# Altium PCB Copy of master.PcbDoc (part 3 of 7) (continued)
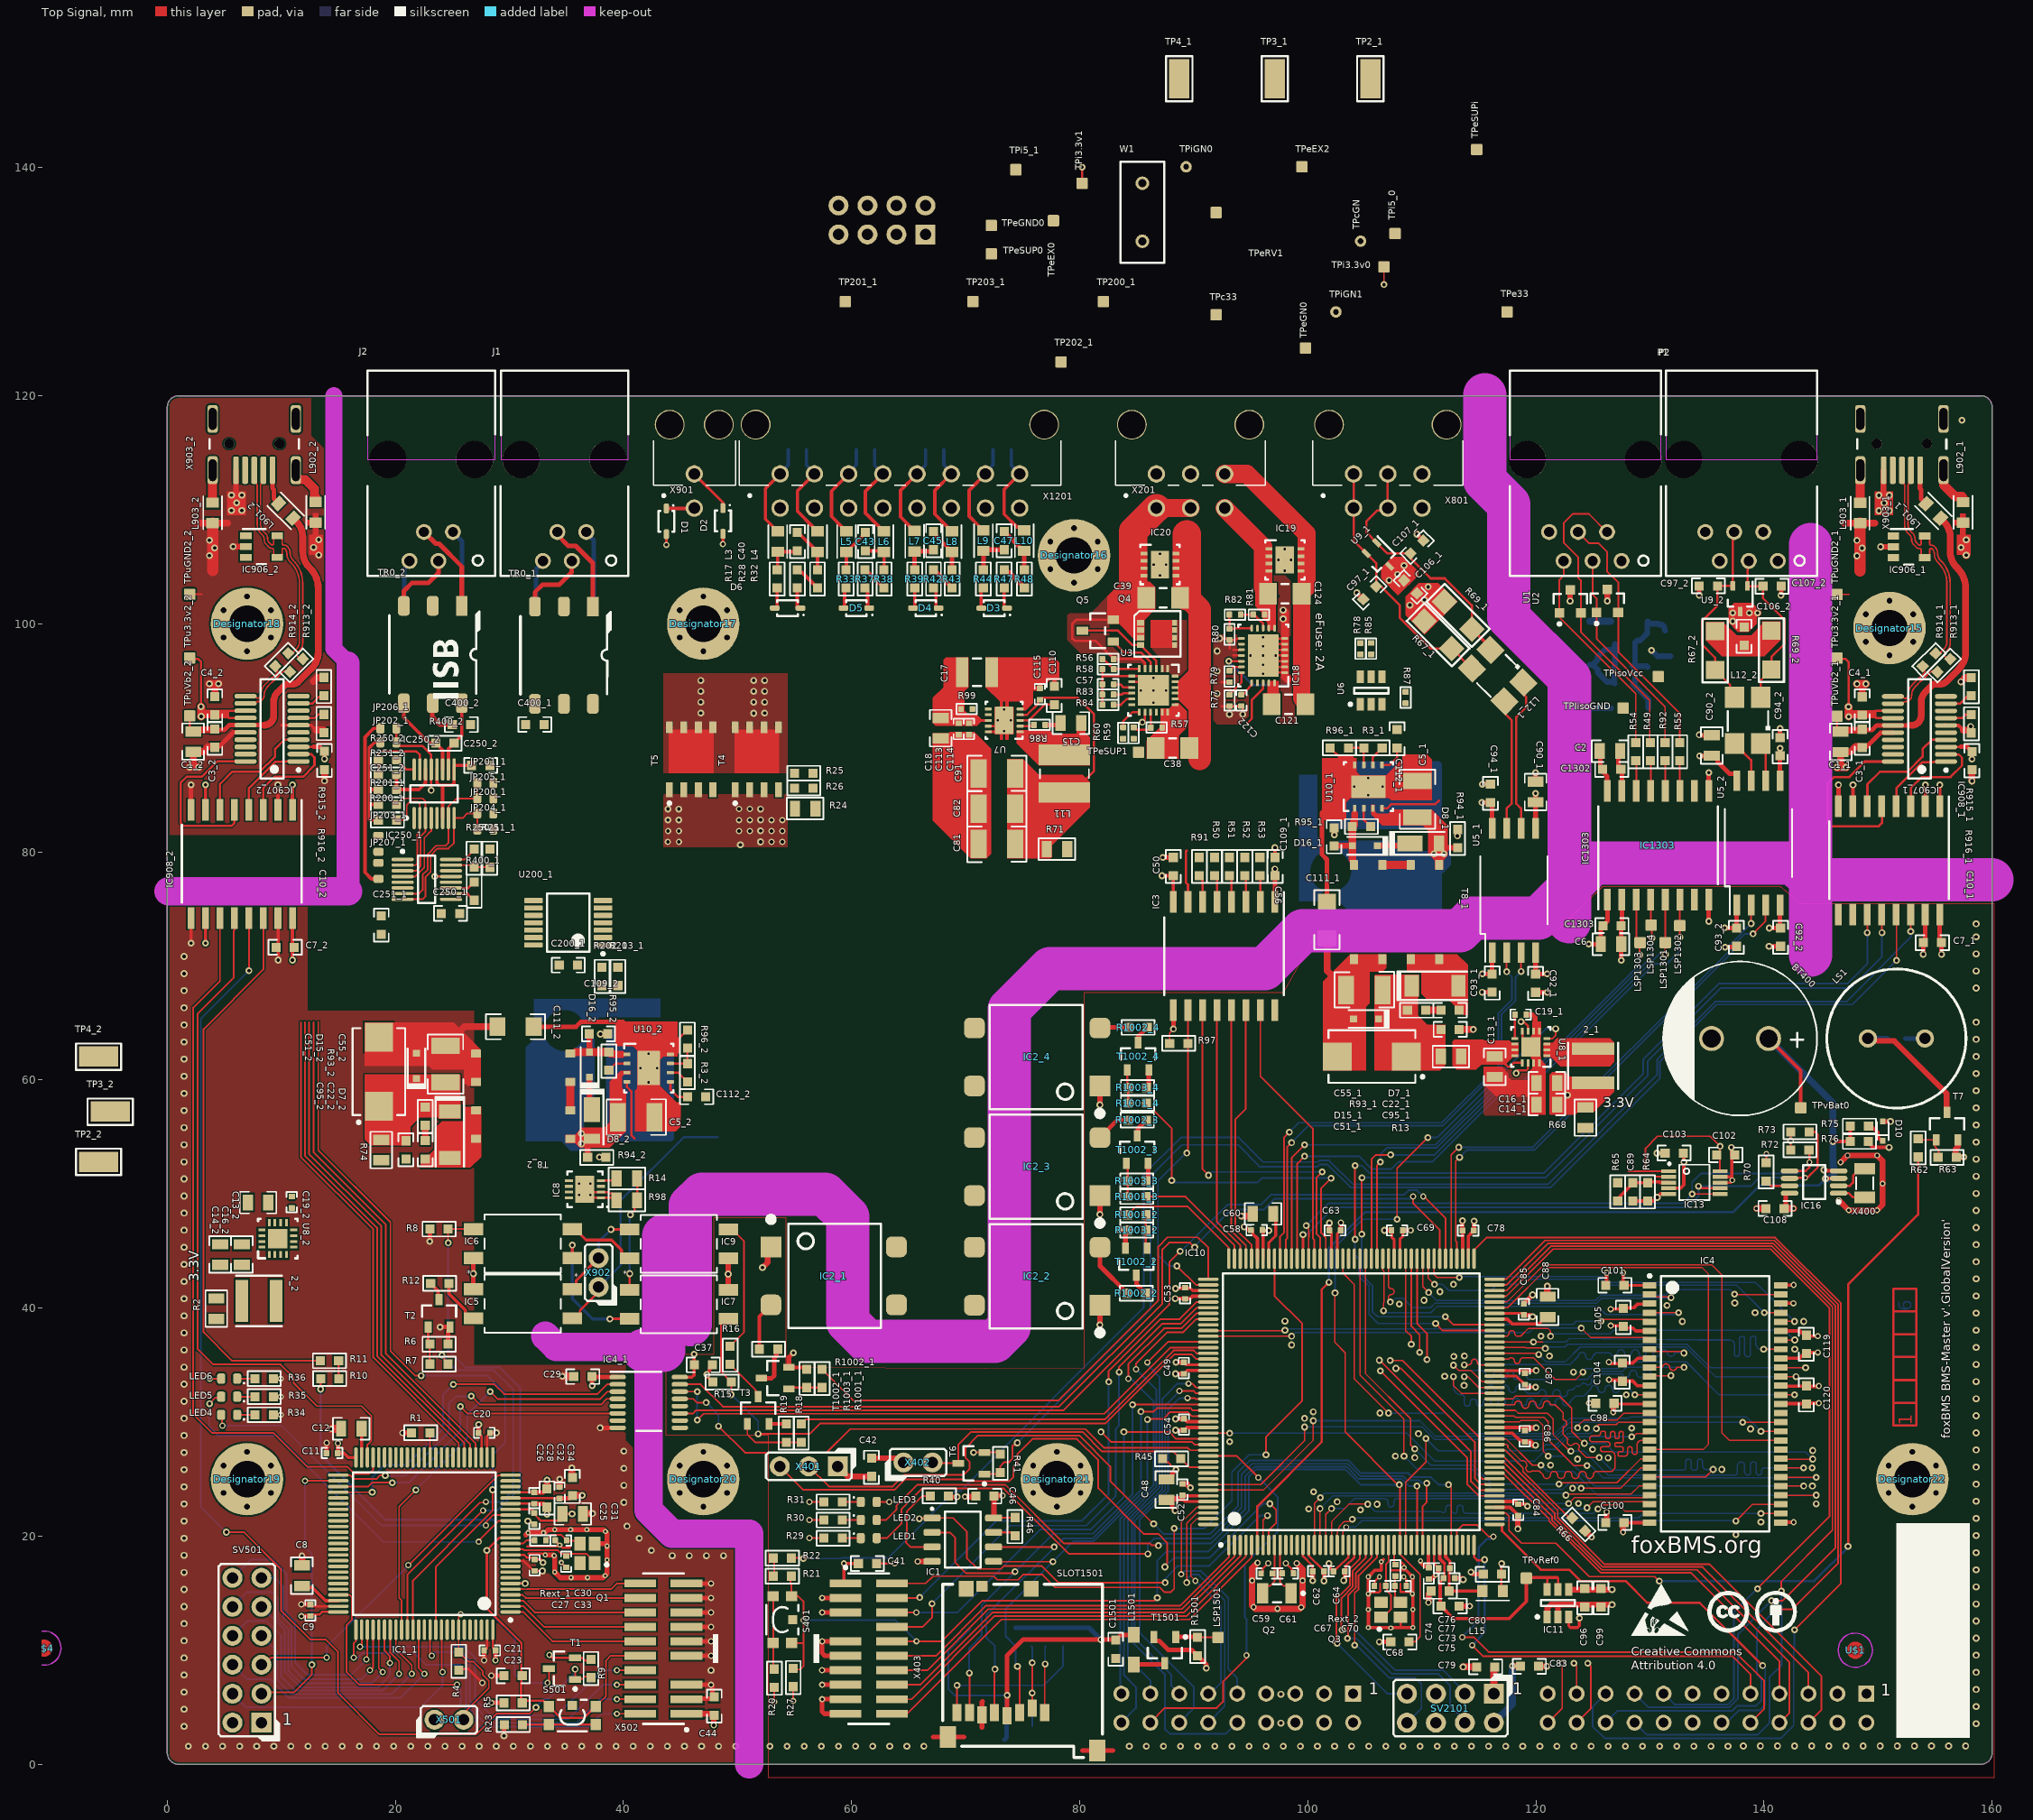
[diagram p0: Top Signal view]
## Part data (continued)
Q2: library part CMP-2000-05107-1, "Crystal, 32.768 KHz, 12.5 pF, -40 to 85 degC, 2-Pin SMD, RoHS, Tape and Reel", Frequency Stability=20PPM, Load Capacitance=12.5pF, Manufacturer=Epson, Operating Temperature Range=-40Cto+85C, Package / Case=3.2mmx1.5mm, Package Description="2-Pin Surface Mount Device, Body 3.2 x 1.5 mm", Package Reference=FC-135, Supplier Part Number 1=SER4071DKR-ND, =Q3805CA00002212, Brand=EpsonTiming, Datasheet URL=https://datasheet.ciiva.com/15116/getdatasheetpartid-112713-15116373.pdf, Datasheet Version=Nov-12, Drive Level=0.5uW, ESR=65kOhms, Factory Pack Quantity=250, Frequency=32.768kHz, Height=0.8mm, Length=3.2mm, Manufacturer URL=https://www.eea.epson.com/, Mounting Style=SMD/SMT, Packaging=Reel, Product Category=Crystals, RoHS=True, Series=FC-135R/FC-135/FC-255, Supplier 1=Digi-Key, Termination Style=SMD/SMT, Tolerance=20PPM, TYPE=kHzCrystal, Unit Weight=0.000564oz, Width=1.5mm
Q4: "MOSFET, N-CH, 30V, 47A, SON 3.3x3.3mm", Alternate Manufacturer=None, Manufacturer="Texas Instruments", Supplier Part Number 1=296-27210-1-ND, Value1="0.0094 ohm", Value2="3.9 nC", ChType=N, ComponentLink1Description="Datasheet link", ComponentLink1URL=http://www.ti.com/lit/ds/symlink/csd17308q3.pdf, CompType=MOSFET, IdsMax_A=47, LatestRevisionDate=2013-07-24, LatestRevisionNote="Added parts.", MountType=SMT, PackageReference="SON 3.3x3.3mm", PartNumber=CSD17308Q3, Published=2008-06-19, Publisher="Texas Instruments", QgTyp_nC=3.9, Rdson45_Ohm=0.0094, RoHS=Y, Supplier 1=Digi-Key, Supplier 2=Mouser, Supplier 3=Farnell, Supplier Part Number 2=595-CSD17308Q3, Supplier Part Number 3=1892457, SymbolVersion=2008-07-09, U/M=EA, VdsMax_V=30, Vgs_V=10
Q5: "MOSFET, N-CH, 50V, 0.22A, SOT-23", Alternate Manufacturer=None, Manufacturer="Fairchild Semiconductor", Supplier Part Number 1=BSS138CT-ND, Value1="6 ohm", Value2="1.7 nC", ChType=N, ComponentLink1Description="Datasheet link", ComponentLink1URL=http://www.fairchildsemi.com/ds/BS/BSS138.pdf, CompType=MOSFET, IdsMax_A=0.22, LatestRevisionDate=2013-07-10, LatestRevisionNote="Added parts.", MountType=SMT, PackageReference=SOT-23, PartNumber=BSS138, Published=2008-06-19, Publisher="Texas Instruments", QgTyp_nC=1.7, Rdson45_Ohm=6, RoHS=Y, Supplier 1=Digi-Key, Supplier 2=Mouser, Supplier 3=Farnell, Supplier Part Number 2=512-BSS138, Supplier Part Number 3=9845330, SymbolVersion=2008-07-28, U/M=EA, VdsMax_V=50, Vgs_V=20
R1 R4 R5 R6 R8 R9 R15 R19 R27 R40 R41 R45 R46 R50 R51 R52 R53 R63 R66 R1003_1 R1003_2 R1003_3 R1003_4 R1502 R1503 R1504 R1505 R1506 R1507: library part gen_R_10k_0603, "SMD Resistor 10k 0603", Case EIA=0603, Case Metric=1608, Maximum Working Voltage=75V, Operating Temperature="-55°C - +155°C", PnP Package=R_0603, Power=0.1W, Supplier Part Number 1=2073349, Tolerance=1%, Part Number=gen_R_10k_0603, PnP Value=10k, Resistance=10k, Series="E24, E96", Supplier 1=Farnell
  R1 R4 R5 R6 R8 R9 R15 R19 R27 R40 R41 R45 R46 R50 R51 R52 R53 R63 R66 R1003_1 R1003_2 R1003_3 R1003_4: Automotive Qualified=False
R2 R68: library part gen_R_0.01R_0805, "SMD Resistor 10m 0805", Case EIA=0805, Case Metric=2012, Operating Temperature="-55°C - +155°C", PnP Package=R_0603, Part Number=gen_R_0.01R_0805, PnP Value=0.01R
R3_1 R3_2: library part CMP-0022036-4, "RES, 130 k, 1%, 0.1 W, AEC-Q200 Grade 0, 0603", Manufacturer=Vishay-Dale, Power_W=100mW, Supplier Part Number 1=541-130KHCT-ND, TempCo="100 ppm/C", Tolerance_%=1%, Value2=0.1W, Value_Code=130k, AEC Category=Q200, AEC Grade=0, AEC Qualified=Y, ComponentLink1Description="Datasheet link", ComponentLink1URL=http://www.vishay.com/docs/20035/dcrcwe3.pdf, CompType=Resistor, EIA_Code=E96, MountType=SMT, PackageReference=0603, PartNumber=CRCW0603130KFKEA, Res_ohm=130k, RoHS=E, SizeArea_mm2=1.28, SizeX_mm=1.6, SizeY_mm=0.8, SizeZ_mm=1, Supplier 1=Digi-Key, Supplier 2=Newark, Supplier 3=Mouser, Supplier Part Number 2=52K8127, Supplier Part Number 3=71-CRCW0603-130K-E3, Technology="Thick Film", Value1=1%, ValueDisplayed=130k, VDC_V=75V
R7 R18 R25 R26 R62 R1001_1 R1001_2 R1001_3 R1001_4: library part gen_R_10R_0603, "SMD Resistor 10R 0603", Case EIA=0603, Case Metric=1608, Maximum Working Voltage=75V, Operating Temperature="-55°C - +155°C", PnP Package=R_0603, Power=0.1W, Supplier Part Number 1=2073361, Tolerance=1%, Automotive Qualified=False, Part Number=gen_R_10R_0603, PnP Value=10R, Resistance=10R, Series="E24, E96", Supplier 1=Farnell
R10 R21: library part gen_R_680R_0603, "SMD Resistor 680R 0603", Case EIA=0603, Case Metric=1608, Maximum Working Voltage=75V, Operating Temperature="-55°C - +155°C", PnP Package=R_0603, Power=0.1W, Supplier Part Number 1=2797303, Tolerance=1%, Automotive Qualified=False, Part Number=gen_R_680R_0603, PnP Value=680R, Resistance=680R, Series=E24, Supplier 1=Farnell
R11 R20 R22 R23 R915_1 R915_2 R916_1 R916_2: library part gen_R_0R_0603, "SMD Resistor 0R 0603", Case EIA=0603, Case Metric=1608, Maximum Working Voltage=75V, Operating Temperature="-55°C - +155°C", PnP Package=R_0603, Power=0.1W, Supplier Part Number 1=2073345, Automotive Qualified=False, Part Number=gen_R_0R_0603, PnP Value=0R, Resistance=0R, Series=Jumper, Supplier 1=Farnell
R12 R16 R1002_1 R1002_2 R1002_3 R1002_4: library part gen_R_430R_0603, "SMD Resistor 430R 0603", Case EIA=0603, Case Metric=1608, Maximum Working Voltage=75V, Operating Temperature="-55°C - +155°C", PnP Package=R_0603, Power=0.1W, Supplier Part Number 1=2074259, Tolerance=1%, Automotive Qualified=False, Part Number=gen_R_430R_0603, PnP Value=430R, Resistance=430R, Series=E24, Supplier 1=Farnell
R13 R71 R74 R88: library part gen_R_0.01R_0805, "SMD Resistor 10m 0805", Case EIA=0805, Case Metric=2012, Operating Temperature="-55°C - +155°C", PnP Package=R_0603, PnP Value=0.01R, Part Number=gen_R_0.01R_0805
R14 R98: library part gen_R_120R_0603, "SMD Resistor 120R 0603", Case EIA=0805, Case Metric=2012, Maximum Working Voltage=75V, Operating Temperature="-55°C - +155°C", PnP Package=R_0603, PnP Value=120R, Power=0.1W, Supplier Part Number 1=2073369, Tolerance=1%, Automotive Qualified=False, Part Number=gen_R_120R_0603, Series=E24, Supplier 1=Farnell
  R14: Resistance=20k
  R98: Resistance=40R
R17 R28 R32 R33 R37 R38 R39 R42 R43 R44 R47 R48: library part gen_R_47R_0603, "SMD Resistor 47R 0603", Case EIA=0603, Case Metric=1608, Maximum Working Voltage=75V, Operating Temperature="-55°C - +155°C", PnP Package=R_0603, Power=0.1W, Supplier Part Number 1=2303030, Tolerance=1%, Automotive Qualified=False, Part Number=gen_R_47R_0603, PnP Value=47R, Resistance=47R, Series=E24, Supplier 1=Farnell
R24: library part gen_R_330R_0603, "SMD Resistor 330R 0603", Case EIA=0805, Case Metric=2012, Maximum Working Voltage=75V, Operating Temperature="-55°C - +155°C", Part Number=gen_R_600R_0805, PnP Package=R_0603, Power=0.1W, Automotive Qualified=False, PnP Value=600R, Resistance=600R, Series=E24
R29 R30 R31 R34 R35 R36: library part gen_R_130R_0603, "SMD Resistor 130R 0603", Case EIA=0603, Case Metric=1608, Maximum Working Voltage=75V, Operating Temperature="-55°C - +155°C", PnP Package=R_0603, Power=0.1W, Supplier Part Number 1=2379959, Tolerance=1%, Automotive Qualified=False, Part Number=gen_R_130R_0603, PnP Value=130R, Resistance=130R, Series="E24, E96", Supplier 1=Farnell
R49 R54 R55 R92: "SMD Resistor 10R 0603", Case EIA=0603, Case Metric=1608, Maximum Working Voltage=75V, Operating Temperature="-55°C - +155°C", Part Number=gen_R_10R_0603, PnP Package=R_0603, Power=0.1W, Supplier Part Number 1=2073361, Tolerance=1%, Automotive Qualified=False, PnP Value=10R, Resistance=10R, Series="E24, E96", Supplier 1=Farnell
R56 R81: library part gen_R_374k_0402, "SMD Resistor 374k 0402", Case EIA=0402, Case Metric=1005, Operating Temperature="-55°C - +155°C", PnP Package=R_0402, Automotive Qualified=False, Part Number=gen_R_374k_0402, PnP Value=374k
R57: "SMD Resistor 49.9k 0402", Case EIA=0402, Case Metric=1005, Operating Temperature="-55°C - +155°C", Part Number=gen_R_49k9_0402, PnP Package=R_0402, Automotive Qualified=False, PnP Value=49k9
R58 R82: library part gen_R_49k9_0402, "SMD Resistor 49.9k 0402", Case EIA=0402, Case Metric=1005, Operating Temperature="-55°C - +155°C", PnP Package=R_0402, Automotive Qualified=False, Part Number=gen_R_49k9_0402, PnP Value=49k9
R59: "SMD Resistor 49.9k 0402", Case EIA=0402, Case Metric=1005, Operating Temperature="-55°C - +155°C", Part Number=gen_R_49k9_0402, PnP Package=R_0402, PnP Value=49k9, Automotive Qualified=False
R60: library part gen_R_10K7_0402, "SMD Resistor 30k 0402", Case EIA=0402, Case Metric=1005, Operating Temperature="-55°C - +155°C", Part Number=gen_R_10.7k_0402, PnP Package=R_0402, PnP Value=10.7k, Automotive Qualified=False
R61: library part gen_R_10k_0603, "SMD Resistor 1k 0603", Case EIA=0603, Case Metric=1608, Maximum Working Voltage=75V, Operating Temperature="-55°C - +155°C", Part Number=gen_R_1k_0603, PnP Package=R_0603, Power=0.1W, Tolerance=1%, Automotive Qualified=False, PnP Value=1k, Resistance=1k, Series="E24, E96"
R64 R65 R70: library part gen_R_100k_0603, "SMD Resistor 100k 0603", Case EIA=0603, Case Metric=1608, Operating Temperature="-55°C - +155°C", PnP Package=R_0603, Automotive Qualified=False, Part Number=gen_R_100k_0603, PnP Value=100k
R67_1 R67_2 R69_1 R69_2: "RES, 60.4, 1%, 0.25 W, 1206", Manufacturer=Vishay-Dale, Power_W=0.25, Supplier Part Number 1=541-60.4FCT-ND, TempCo="100 ppm/C", Tolerance_%=1, Value1=1%, Value2=0.25W, Value_Code=60R4, ValueDisplayed=60.4, AEC Category=Q200, AEC Qualified=?, ComponentLink1Description="Datasheet link", ComponentLink1URL=http://www.vishay.com/docs/20035/dcrcwe3.pdf, CompType=Resistor, EIA_Code=E96, LatestRevisionDate=2017-03-07, MountType=SMT, PackageReference=1206, PartNumber=CRCW120660R4FKEA, Published=2008-06-26, Publisher="Texas Instruments", Res_ohm=60.4, RoHS=Y, SizeArea_mm2=5.12, SizeX_mm=3.2, SizeY_mm=1.6, SizeZ_mm=1.35, Supplier 1=Digi-Key, Supplier 2=Newark, Supplier 3=Mouser, Supplier Part Number 2=53K2546, Supplier Part Number 3=71-CRCW1206-60.4-E3, SymbolVersion=2009-05-29, Technology="Thick Film", U/M=EA, VDC_V=200
R72 R73: library part gen_R_4K7_0603, "SMD Resistor 4.7k 0603", Case EIA=0603, Case Metric=1608, Operating Temperature="-55°C - +155°C", Part Number=gen_R_4k7_0603, PnP Package=R_0603, Automotive Qualified=False, PnP Value=4k7
R75: library part gen_R_NF_0603, "SMD Resistor NF 0603", Case EIA=0603, Case Metric=1608, Operating Temperature="-55°C - +155°C", PnP Package=R_0603, Automotive Qualified=False, Part Number=gen_R_NF_0603, PnP Value=NF
R76: library part gen_R_10M_0603, "SMD Resistor 10M 0603", Case EIA=0603, Case Metric=1608, Operating Temperature="-55°C - +155°C", Part Number=gen_R_10Meg_0603, PnP Package=R_0603, PnP Value=10Meg, Automotive Qualified=False
R77: library part gen_R_10K7_0402, "SMD Resistor 10.7k 0402", Case EIA=0402, Case Metric=1005, Operating Temperature="-55°C - +155°C", Part Number=gen_R_10.7k_0402, PnP Package=R_0402, Automotive Qualified=False, PnP Value=10.7k
R78 R85 R87 R99: "SMD Resistor 100k 0402", Case EIA=0402, Case Metric=1005, Operating Temperature="-55°C - +155°C", Part Number=gen_R_100k_0402, PnP Package=R_0402, Automotive Qualified=False, PnP Value=100k
R79 R83: library part gen_R_26k1_0402, "SMD Resistor 26.1k 0402", Case EIA=0402, Case Metric=1005, Operating Temperature="-55°C - +155°C", Part Number=gen_R_26.1k_0402, PnP Package=R_0402, Automotive Qualified=False, PnP Value=26.1k
R80 R84 Rext_1 Rext_2: library part gen_R_0R_0402, "SMD Resistor 0R 0402", Case EIA=0402, Case Metric=1005, Operating Temperature="-55°C - +155°C", PnP Package=R_0402, Automotive Qualified=False, Part Number=gen_R_0R_0402, PnP Value=0R
R86: "SMD Resistor 0R47 0402", Case EIA=0402, Case Metric=1005, Operating Temperature="-55°C - +155°C", Part Number=gen_R_0R47_0402, PnP Package=R_0402, PnP Value=0R47, Automotive Qualified=False
R89 R91 R97: "SMD Resistor 100k 0603", Case EIA=0603, Case Metric=1608, Operating Temperature="-55°C - +155°C", Part Number=gen_R_100k_0603, PnP Package=R_0603, Automotive Qualified=False, PnP Value=100k
R93_1 R93_2 R94_1 R94_2: library part CMP-0021991-3, "RES, 100, 1%, 0.1 W, 0603", Manufacturer=Vishay-Dale, Power_W=100mW, Supplier Part Number 1=541-100HCT-ND, TempCo="100 ppm/C", Tolerance_%=1%, Value2=0.1W, Value_Code=100R, ValueDisplayed=100, AEC Category=Q200, AEC Qualified=?, ComponentLink1Description="Datasheet link", ComponentLink1URL=http://www.vishay.com/docs/20035/dcrcwe3.pdf, CompType=Resistor, EIA_Code=E96, LatestRevisionDate=2017-03-09, MountType=SMT, PackageReference=0603, PartNumber=CRCW0603100RFKEA, Published=2008-06-26, Publisher="Texas Instruments", Res_ohm=100, RoHS=Y, SizeArea_mm2=1.28, SizeX_mm=1.6, SizeY_mm=0.8, SizeZ_mm=1, Supplier 1=Digi-Key, Supplier 2=Newark, Supplier 3=Mouser, Supplier Part Number 2=52K8078, Supplier Part Number 3=71-CRCW0603-100-E3, Technology="Thick Film", U/M=EA, Value1=1%, VDC_V=75V
R95_1 R95_2: library part CMP-0022064-4, "RES, 158 k, 1%, 0.1 W, AEC-Q200 Grade 0, 0603", Manufacturer=Vishay-Dale, Power_W=100mW, Supplier Part Number 1=541-158KHCT-ND, TempCo="100 ppm/C", Tolerance_%=1%, Value2=0.1W, Value_Code=158k, AEC Category=Q200, AEC Grade=0, AEC Qualified=Y, ComponentLink1Description="Datasheet link", ComponentLink1URL=http://www.vishay.com/docs/20035/dcrcwe3.pdf, CompType=Resistor, EIA_Code=E96, MountType=SMT, PackageReference=0603, PartNumber=CRCW0603158KFKEA, Res_ohm=158k, RoHS=E, SizeArea_mm2=1.28, SizeX_mm=1.6, SizeY_mm=0.8, SizeZ_mm=1, Supplier 1=Digi-Key, Supplier 2=Newark, Supplier 3=Mouser, Supplier Part Number 2=52K8164, Supplier Part Number 3=71-CRCW0603-158K-E3, Technology="Thick Film", Value1=1%, ValueDisplayed=158k, VDC_V=75V
R96_1 R96_2: library part CMP-0022030-3, "RES, 12.1 k, 1%, 0.1 W, 0603", Manufacturer=Vishay-Dale, Power_W=100mW, Supplier Part Number 1=541-12.1KHCT-ND, TempCo="100 ppm/C", Tolerance_%=1%, Value2=0.1W, Value_Code=12k1, ValueDisplayed=12.1k, AEC Category=Q200, AEC Qualified=?, ComponentLink1Description="Datasheet link", ComponentLink1URL=http://www.vishay.com/docs/20035/dcrcwe3.pdf, CompType=Resistor, EIA_Code=E96, LatestRevisionDate=2017-03-09, MountType=SMT, PackageReference=0603, PartNumber=CRCW060312K1FKEA, Published=2008-06-26, Publisher="Texas Instruments", Res_ohm=12.1k, RoHS=Y, SizeArea_mm2=1.28, SizeX_mm=1.6, SizeY_mm=0.8, SizeZ_mm=1, Supplier 1=Digi-Key, Supplier 2=Newark, Supplier 3=Mouser, Supplier Part Number 2=52K8105, Supplier Part Number 3=71-CRCW0603-12.1K-E3, Technology="Thick Film", U/M=EA, Value1=1%, VDC_V=75V
R200_1 R200_2 R201_1 R201_2: library part gen_R_2k_0603, "SMD Resistor 2k 0603", Case EIA=0603, Case Metric=1608, Maximum Working Voltage=75V, Operating Temperature="-55°C - +155°C", PnP Package=R_0603, Power=0.1W, Supplier Part Number 1=2059343, Tolerance=1%, Automotive Qualified=True, Part Number=gen_R_2k_0603, PnP Value=2k, Resistance=2k, Series="E24, E96", Supplier 1=Farnell
R202_1 R202_2: library part gen_R_20k_0603, "SMD Resistor 20k 0603", Case EIA=0603, Case Metric=1608, Maximum Working Voltage=75V, Operating Temperature="-55°C - +155°C", PnP Package=R_0603, Power=0.1W, Supplier Part Number 1=2059432, Tolerance=1%, Automotive Qualified=True, Part Number=gen_R_20k_0603, PnP Value=20k, Resistance=20k, Series="E24, E96", Supplier 1=Farnell
R250_1 R250_2 R250_3 R250_4: library part gen_R_806R_0603, "SMD Resistor 806R 0603", Case EIA=0603, Case Metric=1608, Maximum Working Voltage=75V, Operating Temperature="-55°C - +155°C", PnP Package=R_0603, Power=0.1W, Supplier Part Number 1=2059324, Tolerance=1%, Automotive Qualified=True, Part Number=gen_R_806R_0603, PnP Value=806R, Resistance=806R, Series=E96, Supplier 1=Farnell
R251_1 R251_2 R251_3 R251_4: library part gen_R_1k2_0603, "SMD Resistor 1k2 0603", Case EIA=0603, Case Metric=1608, Maximum Working Voltage=75V, Operating Temperature="-55°C - +155°C", PnP Package=R_0603, Power=0.1W, Supplier Part Number 1=2073370, Tolerance=1%, Automotive Qualified=True, Part Number=gen_R_1k2_0603, PnP Value=1k2, Resistance=1k2, Series=E24, Supplier 1=Farnell
R400_1 R400_2 R400_3 R400_4: library part gen_R_120R_0603, "SMD Resistor 120R 0603", Case EIA=0603, Case Metric=1608, Maximum Working Voltage=75V, Operating Temperature="-55°C - +155°C", PnP Package=R_0603, Power=0.1W, Supplier Part Number 1=1652832, Tolerance=1%, Automotive Qualified=True, Part Number=gen_R_120R_0603, PnP Value=120R, Resistance=120R, Series=E24, Supplier 1=Farnell
R913_1 R913_2 R914_1 R914_2: library part gen_R_27R_0603, "SMD Resistor 27R 0603", Case EIA=0603, Case Metric=1608, Maximum Working Voltage=75V, Operating Temperature="-55°C - +155°C", PnP Package=R_0603, Power=0.1W, Supplier Part Number 1=2059559, Tolerance=1%, Automotive Qualified=False, Part Number=gen_R_27R_0603, PnP Value=27R, Resistance=27R, Series=E24, Supplier 1=Farnell
R1501: library part gen_R_47k_0603, "SMD Resistor 47k 0603", Case EIA=0603, Case Metric=1608, Maximum Working Voltage=75V, Operating Temperature="-55°C - +155°C", PnP Package=R_0603, Power=0.1W, Supplier Part Number 1=2073510, Tolerance=1%, Part Number=gen_R_47k_0603, PnP Value=47k, Resistance=47k, Series=E24, Supplier 1=Farnell
S401 S501: "Microminiature Tactile Switch", Manufacturer="CK Components", Operating Temperature="-40°C - +85°C", Supplier Part Number 1=1201424, Automotive Qualified=False, ComponentLink1Description=Datasheet, ComponentLink1URL=http://www.farnell.com/datasheets/1685525.pdf, Part Number=KMR221GLFS, Supplier 1=Farnell, Supplier 2=Digikey, Supplier 3=Mouser, Supplier Part Number 2=401-1426-1-ND, Supplier Part Number 3=611-KMR211G-LFS
SLOT1501: library part molex_47352-1001, "1.10mm Pitch Memorycard Card Connector, Push-Push Type, with VSS (Supply Voltage Ground) Detect Switch, Lead-Free", Manufacturer=Molex, Operating Temperature="-20°C - +85°C", Part Name=47352-1001, Rated Current=0.5A, Rated Voltage="100V DC", Supplier Part Number 1=2424133, Automotive Qualified=False, Circuits=10, ComponentLink1Description=Drawing, ComponentLink1URL=http://www.molex.com/pdm_docs/sd/473521001_sd.pdf, Part Number=molex_47352-1001, Supplier 1=Farnell
SV501: library part samtec_TSW-106-07-G-D, "Board-To-Board Connector, Vertical, 2.54 mm, 12 Contacts, Header, TSW Series, Through Hole, 2 Rows", Manufacturer=Samtec, Operating Temperature="-55°C - +125°C", Rated Voltage="500V AC mated with SSW", Supplier Part Number 1=2025252, Automotive Qualified=False, Circuits=12, ComponentLink1Description=Datasheet, ComponentLink1URL=http://www.farnell.com/datasheets/1992055.pdf?_ga=2.196729640.569325269.1503285096-1413671594.1503025027, Part Name=TSW-106-07-G-D, Part Number=TSW-106-07-G-D, Supplier 1=Farnell
SV901: library part samtec_SLW-104-01-G-D, "Board-To-Board Connector, Dual, 2.54 mm, 8 Contacts, Receptacle, SLW Series, Through Hole, 2 Rows", Manufacturer=Samtec, Operating Temperature="-55°C - +125°C", Rated Current=5.2A, Rated Voltage="406VAC Voltage rating", Supplier Part Number 1=1668094, Automotive Qualified=False, Circuits=8, ComponentLink1Description=Datasheet, ComponentLink1URL=http://www.farnell.com/datasheets/1927699.pdf, Part Name=SLW-104-01-G-D, Part Number=SLW-104-01-G-D, Supplier 1=Farnell, System=Connector
SV2101: library part samtec_TSW-104-07-G-D, "Board-To-Board Connector, Vertical, 2.54 mm, 8 Contacts, Header, TSW Series, Through Hole, 2 Rows", Manufacturer=Samtec, Operating Temperature="-55°C - +125°C", Rated Voltage="500V AC mated with SSW", Supplier Part Number 1=2025250, Automotive Qualified=False, Circuits=8, ComponentLink1Description=Datasheet, ComponentLink1URL=http://www.farnell.com/datasheets/1992055.pdf, Part Name=TSW-104-07-G-D, Part Number=TSW-104-07-G-D, Supplier 1=Farnell, System=Connector
T1 T6 T1501: library part CMP-1099-00028-1, "P-Channel SIPMOS Small-Signal-Transistor, -60 V VDS, -0.17 A ID, -55 to 150 degC, PG-SOT23, Reel, Green", Manufacturer=Infineon, ComponentLink1Description="Manufacturer URL", ComponentLink1URL=http://www.infineon.com/, ComponentLink2Description=Datasheet, ComponentLink2URL=http://www.infineon.com/dgdl/BSS84P_Rev2.7%5B1%5D.pdf?folderId=db3a304314dca38901154a72e3951a65&fileId=db3a304330f68606013118ac7a9b4549, ComponentLink3Description="Package Specification", ComponentLink3URL=http://www.infineon.com/dgdl/SOT23-Package_Overview.pdf?folderId=db3a30431936bc4b0119532290053c66&fileId=db3a30431936bc4b0119533468123c85, DatasheetVersion="Rev. 2.7", Green=TRUE, Halogen-free=TRUE, ID (max)="-0.17 A", IDpuls (max)="-0.68 A", Mounting Technology="Surface Mount", PackageDescription="3-Pin Small Outline Transistor Package, 2.9 x 1.3 mm Body, 0.95 mm Pitch", PackageReference=PG-SOT23, PackageVersion=Apr-08, Packing=Reel, PartNumber=BSS84P, Pto t (max)="0.36 W", QG="1 nC", RDS (on) (max)="8,000 mOhm", RDS (on) (max) (@4.5V)="12,000 mOhm", Rth="350 K/W", VDS (max)="-60 V", VGS(th) (max)="-2 V", VGS(th) (min)="-1 V"
  T1: Part Number=BSS84P
T2 T3 T7 T1002_1 T1002_2 T1002_3 T1002_4: "MOSFET-Transistor, n-Kanal, 1.6 A, 100 V, 0.178 ohm, 10 V, 2.5 V", Manufacturer=Infineon, Maximum Continous Drain Current (25°C)=1.6A, Maximum Drain-Source Voltage=100V, Operating Temperature="-55°C - +150°C", Part Name=NMOS, Supplier Part Number 1=1783928, Automotive Qualified=False, ComponentLink1Description="Datasheet URL", ComponentLink1URL=http://www.farnell.com/datasheets/491501.pdf, Part Number=IRLML0100TRPBF, R_DS(on)=190m, Supplier 1=Farnell, Total Gate Charge=2.5nC
T4 T5: library part CMP-2000-07063-1, "N-Channel 60V 30A (Tc) 45W (Tc) Surface Mount PowerPAK® SO-8 -55°C ~ 175°C (TJ)", Ciss - Input Capacitance=1600pF, Id - Continuous Drain Current=30A, Manufacturer=Vishay, Maximum Operating Temperature=+175C, Minimum Operating Temperature=-55C, Package / Case=SO-8, Package Description="8-Pin Surface Mount Device, Body 6.15 x 5.155 mm, Pitch 1.27 mm", Package Reference=POWERPAKSO-8, Pd - Power Dissipation=45W, Rds On - Drain-Source Resistance=12.5mOhms, Vds - Drain-Source Breakdown Voltage=60V, Vgs - Gate-Source Breakdown Voltage=20V, Vgs th - Gate-Source Threshold Voltage=4.5V, Brand=VishaySemiconductors, ComponentLink1Description=SQJA60EP-T1_GE3, ComponentLink1URL=https://www.digikey.com.au/product-detail/en/vishay-siliconix/SQJA60EP-T1_GE3/SQJA60EP-T1_GE3CT-ND/7622832, Configuration=Single, Datasheet URL=http://www.vishay.com/docs/75020/sqja60ep.pdf, Datasheet Version="Rev. A, 06/2012", Factory Pack Quantity=3000, Fall Time=9ns, Forward Transconductance - Min=19S, Manufacturer URL=http://www.vishay.com/, Mounting Style=SMD/SMT, Mounting Technology=SurfaceMount, Packaging=Reel, Part Number=SQJA60EP-T1_GE3, Product Category=MOSFET, Qg - Gate Charge=30nC, Rise Time=13ns, RoHS=Details, Series=SQJAxxEP, Tradename="TrenchFET® power MOSFET", Transistor Polarity=N-Channel, Typical Turn-Off Delay Time=16ns
T8_1 T8_2: library part CMP-0085524-1, "Transformer, 30 uH, SMD", Manufacturer=Coilcraft, ValueDisplayed=30µH, AEC Category=Q200, AEC Grade=N/A, AEC Qualified=N, ComponentLink1Description="Datasheet URL", ComponentLink1URL="https://sps16.itg.ti.com/sites/KMS/crossdivteams/altium/docs/ComponentDatasheets/YA8779-BL -- 5V single output.pdf", CompType=Transformer, DCR_ohm=0.014, Ind_H=30µH, LeakageInd_H=380nH, Lp=30, MountType=SMT, Ns1toNp=0.33, Ns2toNp=0.33, PackageReference=9.3x10.2mm, PartNumber=YA8779-BL, RoHS=Y, Rsec1_ohm=0.025, Rsec2_ohm=0.025, SizeArea_mm2=94.86, SizeAreaWB_mm2=137.86, SizeX_mm=9.3, SizeY_mm=10.2, SizeZ_mm=10.6
TP2_1 TP2_2 TP3_1 TP3_2 TP4_1 TP4_2: library part CMP-0055152-1, "Test Point, Miniature, SMT", Manufacturer=Keystone, PartNumber=5015, Supplier Part Number 1=36-5015TR-ND, CNHeader=FALSE, ComponentLink1Description="Datasheet URL", ComponentLink1URL=http://www.keyelco.com/userAssets/store/files/5015.PDF, CompType="Test Point", CT=TRUE, Green_EU RoHS=Passed, Green_EU RoHS-2=Incomplete, Green_Lifecycle=Active, Green_REACh=Passed, LatestRevisionDate=26/05/2017, MountType=SMT, PackageReference=Testpoint_Keystone_Miniature, Publisher="Texas Instruments", RoHS=Y, Supplier 1=Digi-Key, Supplier 2=Mouser, Supplier Part Number 2=534-5015
TPcGN TPiGN0 TPiGN1: library part Testpoint_Round_Via, "Testpoint, Via, round", Part Number=Testpoint_Round_Via
TR0_1 TR0_2 TR0_3 TR0_4: "Pulse HM2101NL BMS Transformer", Manufacturer=Pulse, Operating Temperature="-40°C - +125°C", Supplier Part Number 1=673-HM2102NL, Automotive Qualified=True, ComponentLink1Description=Datasheet, ComponentLink1URL=https://www.mouser.com/ds/2/336/HM2102NL-1218600.pdf, Part Number=HM2101NL, Supplier 1=Mouser, Supplier 2=Digikey, Supplier Part Number 2=1840-1033-1-ND
U1 U2: library part CMP-2000-07553-1, "TVS Array - Asymmetrical Data Line Protector, 600 W, 7.5 V, -55 to 150 degC, 3-Pin SOT23, RoHS, Tape and Reel", Capacitance=75pF, Case\/Package=SOT-23, Clamping Voltage=17V, Current=20uA, Manufacturer="Protek Devices", Max Operating Temperature=150degC, Min Breakdown Voltage=7.5V, Min Operating Temperature=-55degC, Package Description="3-Pin Small Outline Transistor, Body 2.92 x 1.3 mm, Pitch 0.94 mm", Package Reference=SOT23-3, Power Dissipation=600W, Voltage=12V, Working Voltage=7V, Datasheet URL=www.protekdevices.com/xyz/documents/datasheets/psm712.pdf, Datasheet Version=10/2013, Depth=1.4mm, Direction=Bidirectional, Element Configuration=Dual, Lead Free=LeadFree, Leakage Current=20uA, Length=3.04mm, Manufacturer URL=http://www.protekdevices.com/, Mounting Technology=SurfaceMount, Number of Pins=3, Packaging=TapeandReel, Radiation Hardening=No, RoHSCompliant=True
U3: "Imported", Manufacturer="Texas Instruments", PartNumber=TPS26630RGER, RefDes=RefDes, TYPE=TYPE
U4: "Imported", Alternate_PartNumber=SN6505ADBVT, Manufacturer="Texas Instruments", CompType=IC, MountType=SMT, PackageReference=DBV0006A, PartNumber=SN6505ADBVR, PIN_COUNT=6, RefDes=RefDes, TYPE=TYPE
U6: library part CMP-0063-01010-1, "Power Sequencer, 6-pin SOT-23, Pb-Free", Manufacturer="National Semiconductor", PackageTopMarking=F21A*XTT, PowerWise=N, Code_IPC=SOT26A-6, Code_JEDEC=MO-178-AB, CompType=MiscPower, DatasheetVersion=May-2008, PackageDescription="Molded SOT-23, .115 x .063 x .040in Body, 6 Lead, .0375in in Pitch", PackageReference=MF06A, PackageVersion="revC, Sep-2005", PinCount=6, RoHS=Y
U9_1 U9_2: "ESD Protection Array for AC Signal Data Interface, 2 Channels, -40 to +85 degC, 3-pin SC70 (DCK), Green (RoHS & no Sb/Br)", Alternate Manufacturer="Texas Instruments", Alternate PartNumber=Equivalent, Breakdown Voltage(Min)(V)=+/-14, IO Capacitance(Typ)(pF)=15, IO Leakage Current(nA)=50, Supplier Part Number 1=296-25281-2-ND, ComponentLink1Description=Datasheet, ComponentLink1URL=http://www.ti.com/general/docs/lit/getliterature.tsp?genericPartNumber=TPD2E007&fileType=pdf, ComponentLink2Description="URL Link1", ComponentLink2URL=SamplesURL:http://www.ti.com/product/tpd2e007#samples, DatasheetVersion=SLVS796E, Eco-Plan="Green (RoHS & no Sb/Br)", IEC 61000-4-2 Air-Gap(+/- kV)=15, IEC 61000-4-2 Contact(+/- kV)=8, Manufacturer="Texas Instruments", MountType=SMT, PackageDescription="3-Pin Plastic Small-Outline Package, 0.65 mm Pitch, 2.1 mm Lead Span", PackageReference=DCK0003A, PackageVersion="revG, Jan-2007", PartNumber=TPD2E007DCKR, SubFamily="ESD Solution", Supplier 1=Digi-Key, Supplier 2=Digi-Key, Supplier 3=Digi-Key, Supplier 4=Farnell, Supplier 5=Newark, Supplier 6=Newark, Supplier 7=Mouser, Supplier Part Number 2=296-25281-1-ND, Supplier Part Number 3=296-25281-6-ND, Supplier Part Number 4=2120465, Supplier Part Number 5=94T5089, Supplier Part Number 6=55R7554, Supplier Part Number 7=595-TPD2E007DCKR
U10_1 U10_2: library part CMP-0078633-2, "70-V PSR Flyback Converter With 100-V, 1.2-A Power Switch and Ultra-Low IQ, NGU0008C (WSON-8)", Alternate Manufacturer="Texas Instruments", Alternate PartNumber=LM5180QNGUTQ1, AEC Category=Q200, AEC Qualified=Y, ComponentLink1Description="Datasheet Link", ComponentLink1URL=http://www.ti.com/lit/ds/symlink/lm5180-q1.pdf, ComponentLink2Description="Product Folder", ComponentLink2URL=http://www.ti.com/product/lm5180-q1, CompType=IC, Manufacturer="Texas Instruments", MountType=SMT, PackageDescription=WSON-8, PackageReference=NGU0008C, PartNumber=LM5180QNGURQ1, SizeArea_mm2=16, SizeAreaWB_mm2=25, SizeX_mm=4, SizeY_mm=4, SizeZ_mm=0.8
U200_1 U200_2: library part CMP-1627-00586-2, "Quadruple 2-Input Positive-NAND Gate, PW0014A, LARGE T&R", F @ Nom Voltage(Max)(Mhz)=150, Generic Part Number=SN74LVC00A, ICC @ Nom Voltage(Max)(mA)=0.04, Manufacturer="Texas Instruments", Operating Temperature Range(C)="-40 to 125", Rating=Catalog, tpd @ Nom Voltage(Max)(ns)=12.5,6.4,5.1,4.3, Voltage(Nom)(V)=1.8,2.5,2.7,3.3, Code_JEDEC=MO-153, DatasheetVersion=SCAS279Q, Input Type=TTL, Output Drive (IOL/IOH)(Max)(mA)=24/-24, Output Type=TTL, PackageReference=PW0014A, Schmitt Trigger=No, Technology Family=LVC, VCC(Max)(V)=3.6, VCC(Min)(V)=1.65
U$1 U$3 U$4: library part FIDUCIAL_1MM, PackageName=FIDUCIAL_1MM
W1: "Jumper Wire", LatestRevisionDate=17-Jul-2002, LatestRevisionNote="Re-released for DXP Platform.", PackageDescription="Radial Cap, Thru-Hole; 2 Leads; 0.2 in Pin Spacing", PackageReference=RAD-0.2, Published=24-Mar-1999, Publisher="Altium Limited"
X201 X801: "Micro-Fit 3.0 Right Angle Header, 3.00mm Pitch, Dual Row, 6 Circuits, with Snap-in Plastic Peg PCB Lock, Tin, Glow Wire Capable, Black, 43045-0621", Manufacturer_Name=Molex, Mouser Part Number=538-43045-0621, Part Name=MicroFit, RS Part Number=6700380, Circuits=6, Datasheet Link=http://www.molex.com/webdocs/datasheets/pdf/en-us//0430450621_PCB_HEADERS.pdf, Height=8mm, Manufacturer_Part_Number=43045-0621, Mouser Price/Stock=https://www.mouser.com/Search/Refine.aspx?Keyword=538-43045-0621, RS Price/Stock=https://uk.rs-online.com/web/p/products/6700380
X400: library part CRYSTAL1, DBDesc="32.768kHz ABS07-120, 20ppm, 6pF load, 60k ESR, 3.2x1.5mm crystal, RoHS compliant", ID=22914
X401: "Board-To-Board Connector, Vertical, 2.54 mm, 3 Contacts, Header, TSW Series, Through Hole, 1 Row", Manufacturer=Samtec, Operating Temperature="-55°C - +125°C", Part Name=TSW-103-07-G-S, Supplier Part Number 1=2505045, Automotive Qualified=False, Circuits=3, ComponentLink1Description=Datasheet, ComponentLink1URL=http://www.farnell.com/datasheets/1796313.pdf, Part Number=samtec_TSW-103-07-G-S, Supplier 1=Farnell
X402 X501 X902: "Board-To-Board Connector, Vertical, 2.54 mm, 2 Contacts, Header, TSW Series, Through Hole, 1 Row", Manufacturer=Samtec, Operating Temperature="-55°C - +125°C", Part Name=TSW-102-07-G-S, Supplier Part Number 1=2505044, Automotive Qualified=False, Circuits=2, ComponentLink1Description=Datasheet, ComponentLink1URL=http://www.farnell.com/datasheets/1796313.pdf, Part Number=samtec_TSW-102-07-G-S, Supplier 1=Farnell
X403 X502: library part samtec_FTSH-110-01-L-DV-007-K-P, "Board-To-Board Connector, ARM Cortex Debug Header 20 Pin", Manufacturer=Samtec, Operating Temperature="-55°C - +125°C", Supplier Part Number 1=SAM11268-ND, Automotive Qualified=False, Circuits=20, Part Name=FTSH-110-01-L-DV-007-K-P, Part Number=samtec_FTSH-110-01-L-DV-007-K-P, Supplier 1=Digikey, Supplier 2=Avnet, Supplier Part Number 2=FTSH-110-01-L-DV-007-K-P
X901: library part molex_microfit_3_01x2_THT, "Micro-Fit 3.0 Right Angle Header, 3.00mm Pitch, Dual Row, 2 Circuits, with Snap-in Plastic Peg PCB Lock, Tin, Glow Wire Capable, Black, 43045-0200", Manufacturer=Molex, Operating Temperature="-40°C - +105°C", Part Name=MicroFit, Rated Current=8.5A, Rated Voltage=600V, Supplier Part Number 1=1012251, Automotive Qualified=False, Circuits=2, Part Number=molex_microfit_3_01x2_THT, Supplier 1=Farnell
X903_1 X903_2: library part MOLX-67503-1020, "USB, MINI, SMD, RA KME04-USBMU03A01", Manufacturer=Molex, ComponentLink1Description="Manufacturer URL", ComponentLink1URL=http://www.molex.com/, ComponentLink2Description=Datasheet, ComponentLink2URL=http://www.molex.com/pdm_docs/sd/675031020_sd.pdf, DatasheetVersion="Rev F, 06/2009", Mounting Technology="Surface Mount", PackageDescription="Mini USB Connector, TH, Righer Angle", PackageReference=54819-0589, PartNumber=54819-0589, Terminal Pitch="0.8 mm"
X1201: "Micro-Fit 3.0 Right Angle Header, 3.00mm Pitch, Dual Row, 16 Circuits, with Snap-in Plastic Peg PCB Lock, Tin, Glow Wire Capable, Black, 43045-1600", Manufacturer=Molex, Operating Temperature="-40°C - +105°C", Part Name=MicroFit, Part Number=molex_microfit_3_08x2_THT, Rated Current=8.5A, Rated Voltage=600V, Supplier Part Number 1=9961380, Automotive Qualified=False, Circuits=16, Supplier 1=Farnell
IC13: DBDesc="Linear LTC2990IMS quad I2C voltage, current and temperature monitor, -40°C to +85°C, 10-pin MSOP, RoHS compliant", ID=19355, Part Number=LTC2990
IC16: DBDesc="DS1339U-33+ RTC I2C w/alarm USOP-8, RoHS compliant", ID=11376, Part Number=DS1339-U33

## Via types
v1: diameter 0.6, hole 0.3, Top Signal to Bottom Signal, 679 vias
v2: diameter 0.55, hole 0.3, Top Signal to Bottom Signal, tented both sides, 125 vias
v3: diameter 0.45, hole 0.2, Top Signal to Bottom Signal, 31 vias
v4: diameter 0.5, hole 0.2, Top Signal to Bottom Signal, 16 vias
v5: diameter 0.5, hole 0.3, Top Signal to Bottom Signal, tented both sides, 13 vias
v6: diameter 0.55, hole 0.3, Top Signal to Bottom Signal, 10 vias
v7: diameter 0.6, hole 0.3, Top Signal to Bottom Signal, tented both sides, 4 vias
v8: diameter 0.5, hole 0.3, Top Signal to Bottom Signal, 1 vias

## Nets (pads, with @x,y where several pads share a name; then routed paths per layer and width w, separated by ;. In a path a pad name is that pad's centre, name@x,y a point inside that pad or via, vN(x,y) a via of type N, cw(c..) or ccw(c..) an arc to the next point about the centre after c; other vN are vias at no path point)
+3-4.5v_out: C65.2 C66.2 C71.2 D12.1 D13.3 D14.1 R88.2 TPc33.1 TPisoVcc.1 | length 12.2
  Bottom Signal w0.5: C66.2@128.47,96.296 C66.2@128.686,96.296 ; C65.2@128.487,94.761 129.871,93.377 D12.1@129.871,92.602 ; C65.2@128.686,94.778 C66.2@128.686,96.296 ; D13.3@129.793,96.215 129.712,96.296 C66.2@128.686,96.296 ; R88.2@131.347,99.391 R88.2@131.26,99.478 131.26,99.728 131.06,99.928 130.81,99.928 130.734,100.004 130.032,100.004 129.827,100.209 D14.1@129.827,100.222 129.764,100.159 129.764,99.16 129.136,98.532 128.886,98.532 128.686,98.332 C66.2@128.686,96.296